# KiCad board corne-cherry.kicad_pcb (continued)
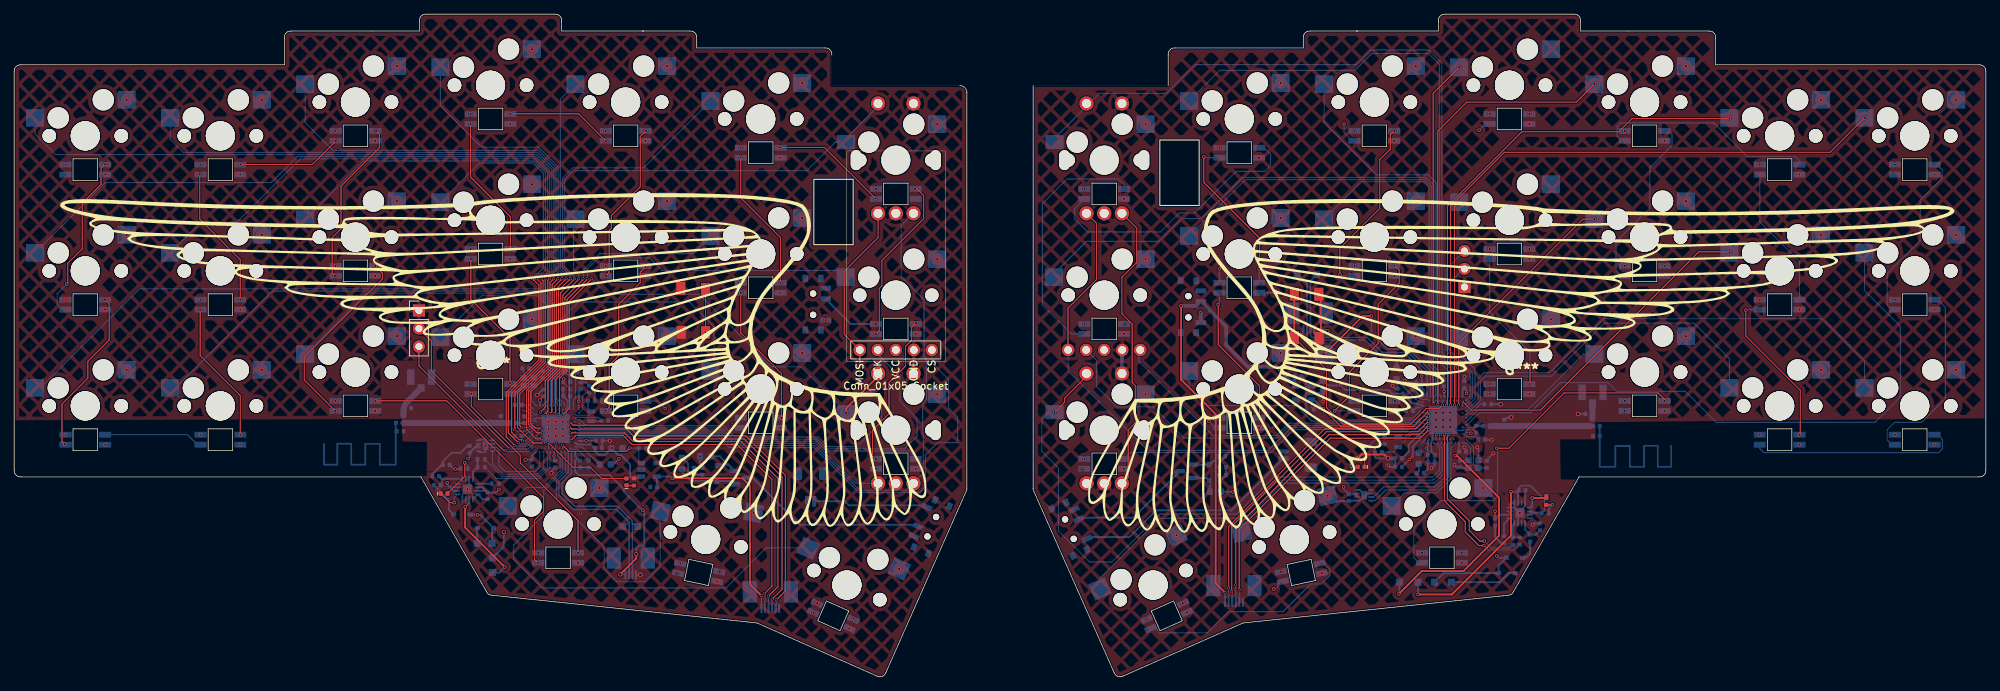
[diagram p0: board, top side]
## Library data of the parts (continued)
R15 = -: LCSC Part: C131467; Manufacturer Part: RC0402FR-073K9L; ki_fp_filters: R_*
R16 R18 R19 = -: LCSC Part: C25744; Manufacturer Part: RC0402FR-0710KL; JLC Part: C25744; ki_fp_filters: R_*
R17 = -: LCSC Part: C131467; Manufacturer Part: RC0402FR-073K9L; JLC Part: C51721; ki_fp_filters: R_*
R20 = -: LCSC Part: C138014; Manufacturer Part: RC0402FR-072ML; JLC Part: C138014; ki_fp_filters: R_*
rSMDSW1 rSMDSW3 = -: JLCPCB Part #: C455280; Sim.Type: V
rSW2-rSW21 SW2-SW21 = -: Sim.Type: V
SW1 = -: Description: Push button switch, generic, two pins; Sim.Type: V
SW22-SW25 = -: Description: Single Pole Single Throw (SPST) switch
TP1-TP12 = -: ki_fp_filters: Pin* Test*
U1 U2 = -: Datasheet: http://infocenter.nordicsemi.com/topic/com.nordic.infocenter.nrf52/dita/nrf52/chips/nrf52840.html; Digikey: 1490-1071-1-ND; LCSC Part: C190794; Manufacturer Part: NRF52840-QIAA-R; ki_fp_filters: Nordic*AQFN*1EP*7x7mm*P0.5mm*
U4 U6 = -: LCSC Part: C2682616
U5 U9 = -: Datasheet: https://www.torexsemi.com/file/xc6220/XC6220.pdf; Digikey: 893-1133-1-ND‎; JLC Part: C86534; LCSC Part: C86534; Manufacturer Part: XC6220B331MR-G‎; ki_fp_filters: SOT?23*
U7 U8 = -: Datasheet: http://www.ti.com/lit/ds/symlink/bq24075.pdf; Digikey: 296-24815-1-ND; JLC Part: C15464; LCSC Part: C2865459; Manufacturer Part: BQ24075RGTR; ki_fp_filters: VQFN*1EP*3x3mm*P0.5mm*
Y1 Y3 = -: Digikey: 490-XRCGB32M000F1S1DR0CT-ND‎; JLC Part: C255896; LCSC Part: C255896; Manufacturer Part: Q22FA1280001800; ki_fp_filters: Crystal*
Y2 Y4 = -: Digikey: 728-1075-1-ND; JLC Part: C93231; LCSC Part: C97607; Manufacturer Part: SC20S-12.5PF20PPM; ki_fp_filters: Crystal*

## Footprints (pads in the part's own frame, mm; a bottom-side part is the same pattern mirrored in y, then rotated)
2.4GHz-meander-antenna-v2
  custom 10.346x5.981 smd: 1(0,0)
2.4GHz-meander-antenna-v2#2
  custom 10.346x5.981 smd: 1(-10,0)
AQFN-73-1EP_7x7mm_P0.5mm_NRF52840-custom
  rrect 0.575x0.575 smd: (-1.5,-1.5) (-1.5,-0.5) (-1.5,0.5) (-1.5,1.5) (-0.5,-1.5) (-0.5,-0.5) (-0.5,0.5) (-0.5,1.5) (0.5,-1.5) (0.5,-0.5) (0.5,0.5) (0.5,1.5) (1.5,-1.5) (1.5,-0.5) (1.5,0.5) (1.5,1.5)
  round 0.25 smd: A8(-1.25,3.25) A10(-0.75,3.25) A12(-0.25,3.25) A14(0.25,3.25) A16(0.75,3.25) A18(1.25,3.25) A20(1.75,3.25) A22(2.25,3.25) A23(2.75,3.25) AA24(3.25,-2.25) AB2(-2.75,-2.5) AC5(-2,-2.75) AC9(-1,-2.75) AC11(-0.5,-2.75) AC13(0,-2.75) AC15(0.5,-2.75) AC17(1,-2.75) AC19(1.5,-2.75) AC21(2,-2.75) AC24(3.25,-2.75) AD2(-2.75,-3.25) AD4(-2.25,-3.25) AD6(-1.75,-3.25) AD8(-1.25,-3.25) AD10(-0.75,-3.25) AD12(-0.25,-3.25) AD14(0.25,-3.25) AD16(0.75,-3.25) AD18(1.25,-3.25) AD20(1.75,-3.25) AD22(2.25,-3.25) AD23(2.75,-3.25) B1(-3.25,2.75) B3(-2.5,2.75) B5(-2,2.75) B7(-1.5,2.75) B9(-1,2.75) B11(-0.5,2.75) B13(0,2.75) B15(0.5,2.75) B17(1,2.75) B19(1.5,2.75) B24(3.25,2.75) C1(-3.25,2.25) D2(-2.75,2) D23(2.75,2) E24(3.25,1.75) F2(-2.75,1.5) F23(2.75,1.5) G1(-3.25,1.25) H2(-2.75,1) H23(2.75,1) J1(-3.25,0.75) J24(3.25,0.75) K2(-2.75,0.5) L1(-3.25,0.25) L24(3.25,0.25) M2(-2.75,0) N1(-3.25,-0.25) N24(3.25,-0.25) P2(-2.75,-0.5) P23(2.75,-0.5) R1(-3.25,-0.75) R24(3.25,-0.75) T2(-2.75,-1) T23(2.75,-1) U1(-3.25,-1.25) U24(3.25,-1.25) V23(2.75,-1.5) W1(-3.25,-1.75) W24(3.25,-1.75) Y2(-2.75,-2) Y23(2.75,-2)
  rect 4x4 smd: EP(0,0)
BWIPX-1-001E
  rect 1x1.05 smd: 1(0,-1.525)
  rect 1.05x2.2 smd: 2(-1.475,0) 2(1.475,0)
Capacitor_0402_1005M-nosilk
  rrect 0.56x0.62 smd: 1(-0.48,0) 2(0.48,0)
Capacitor_0603_1608M-nosilk
  rrect 0.9x0.95 smd: 1(-0.775,0) 2(0.775,0)
Crystal_SMD_2012-2Pin_2.0x1.2mm
  rect 0.6x1.1 smd: 1(-0.7,0) 2(0.7,0)
Crystal_SMD_2016-4Pin_2.0x1.6mm
  rect 0.9x0.8 smd: 1(-0.7,-0.55) 2(0.7,-0.55) 3(0.7,0.55) 4(-0.7,0.55)
D_SOD-323F-nosilk
  rect 0.7x0.6 smd: 1(-1.15,0) 2(1.15,0)
Fuse_0402_1005Metric
  rrect 0.59x0.64 smd: 1(-0.485,0) 2(0.485,0)
Fuse_0603_1608Metric
  rrect 0.875x0.95 smd: 1(-0.787,0) 2(0.787,0)
Inductor_0402_1005M-nosilk
  rrect 0.59x0.64 smd: 1(-0.485,0) 2(0.485,0)
Inductor_0603_1608M-nosilk
  rrect 0.875x0.95 smd: 1(-0.787,0) 2(0.787,0)
JST_SH_SM02B-SRSS-TB_1x02-1MP_P1.00mm_Horizontal
  rrect 0.6x1.55 smd: 1(-0.5,2) 2(0.5,2)
  rrect 1.2x1.8 smd: MP(-1.8,-1.875) MP(1.8,-1.875)
Jushuo_AFC07-S04FCA-00_1x4-1MP_P0.50_Horizontal
  rect 0.3x1.3 smd: 1(-0.75,1.6) 2(-0.25,1.6) 3(0.25,1.6) 4(0.75,1.6)
  rect 2x3 smd: MP(-2.4,-0.75) MP(2.4,-0.75)
Jushuo_AFC07-S06FCA-00_1x6-1MP_P0.50_Horizontal
  rect 0.3x1.3 smd: 1(-1.25,1.6) 2(-0.75,1.6) 3(-0.25,1.6) 4(0.25,1.6) 5(0.75,1.6) 6(1.25,1.6)
  rect 2x3 smd: MP(-2.9,-0.75) MP(2.9,-0.75)
keyswitch_cherrymx_hotswap_1u
  round 1.9 hole 1.9 unplated: (-5.08,0) (-5.08,0) (5.08,0) (5.08,0)
  round 3 hole 3 unplated: (-2.54,5.08) (3.81,2.54)
  round 4.1 hole 4.1 unplated: (0,0) (0,0)
  rect 2.55x2.5 smd: 1(7.085,2.54) 2(-5.842,5.08)
keyswitch_cherrymx_hotswap_1u#2
  round 1.9 hole 1.9 unplated: (-5.08,0) (5.08,0)
  round 3 hole 3 unplated: (-2.54,5.08) (3.81,2.54)
  round 4.1 hole 4.1 unplated: (0,0) (0,0)
  rect 2.55x2.5 smd: 1(7.085,2.54) 2(-5.842,5.08)
keyswitch_cherrymx_hotswap_1u_rotary_encoder_ec12
  rect 2x3.2 hole 1.5x2.8 unplated: (-5.6,0) (5.6,0)
  round 1.9 hole 1.9 unplated: (-5.08,0) (5.08,0)
  round 3 hole 3 unplated: (-2.54,5.08) (3.81,2.54)
  round 4.1 hole 4.1 unplated: (0,0)
  round 2 hole 1.27: A(2.5,-7.5) B(-2.5,-7.5) C(0,-7.5) S1(-2.5,8) S2(2.5,8)
  rect 2.55x2.5 smd: S1(-5.842,5.08)
  rect 2.55x2 smd: S2(7,2.54)
LED_0402_1005Metric-nosilk
  rrect 0.59x0.64 smd: 1(-0.485,0) 2(0.485,0)
net-tie-2-tiny
  round 0.15 smd: 1(-0.15,0) 2(0.15,0)
nice_view
  round 1.753 hole 1.092: 1(-5.08,-16.51) 2(-2.54,-16.51) 3(0,-16.51) 4(2.54,-16.51) 5(5.08,-16.51)
PinHeader_1x03_P2.54mm_Vertical
  rect 1.7x1.7 hole 1: 1(0,0)
  oval 1.7x1.7 hole 1: 2(0,-2.54) 3(0,-5.08)
PushSwitch
  rect 1.8x1.3 smd: 1(-3.1,1.75) 1(3.1,1.8) 2(-3.1,-1.7) 2(3,-1.7)
R_0603_1608Metric
  rrect 0.8x0.95 smd: 1(-0.825,0) 2(0.825,0)
Resistor_0402_1005M-nosilk
  rrect 0.54x0.64 smd: 1(-0.51,0) 2(0.51,0)
SOT-23
  rrect 1.475x0.6 smd: 1(-0.938,0.95) 2(-0.938,-0.95) 3(0.938,0)
SOT-23-5
  rect 1.06x0.65 smd: 1(-1.1,0.95) 2(-1.1,0) 3(-1.1,-0.95) 4(1.1,-0.95) 5(1.1,0.95)
SW_SPDT_PCM12
  rect 1x0.8 smd: (-3.65,-1.43) (-3.65,0.78) (3.65,-1.43) (3.65,0.78)
  round 0.9 hole 0.9 unplated: (-1.5,-0.33) (1.5,-0.33)
  rect 0.7x1.5 smd: 1(-2.25,1.43) 2(0.75,1.43) 3(2.25,1.43)
TDFN-8-1EP_2x2mm_P0.5mm_EP0.8x1.2mm
  rrect 0.32x0.48 smd: (-0.2,-0.3) (-0.2,0.3) (0.2,-0.3) (0.2,0.3)
  rrect 0.775x0.25 smd: 1(-0.988,0.75) 2(-0.988,0.25) 3(-0.988,-0.25) 4(-0.988,-0.75) 5(0.988,-0.75) 6(0.988,-0.25) 7(0.988,0.25) 8(0.988,0.75)
  rect 0.8x1.2 smd: 9(0,0)
TestPoint_Pad_1.0x1.0mm-nosilk
  rect 1x1 smd: 1(0,0)
VQFN-16-1EP_3x3mm_P0.5mm_EP1.6x1.6mm
  rrect 0.4x0.4 smd: (-0.3,-0.3) (-0.3,0.3) (0.3,-0.3) (0.3,0.3)
  rrect 0.875x0.25 smd: 1(-1.438,0.75) 2(-1.438,0.25) 3(-1.438,-0.25) 4(-1.438,-0.75) 9(1.438,-0.75) 10(1.438,-0.25) 11(1.438,0.25) 12(1.438,0.75)
  rrect 0.25x0.875 smd: 5(-0.75,-1.438) 6(-0.25,-1.438) 7(0.25,-1.438) 8(0.75,-1.438) 13(0.75,1.438) 14(0.25,1.438) 15(-0.25,1.438) 16(-0.75,1.438)
  rect 1.3x1.3 smd: 17(0,0)
YS-SK6812MINI-E
  rect 1.7x0.825 smd: 1(2.8,0.7) 2(2.8,-0.7) 3(-2.8,-0.7) 4(-2.8,0.7)

## Nets
/right/VBAT: C46.2 C47.1 C48.1 C51.2 F4.2 U4.2 U4.3 U8.2 U8.3
/right/VCC: C53.2 J10.3 J11.1 SW22.2 U9.5
/right/VCC_CTRL: R20.1 U2.T2 U9.3
/right/VDD_nrf: C55.2 C56.2 C57.2 C58.2 C59.2 L7.1 TP8.1 U2.A22 U2.AD14 U2.AD23 U2.B1 U2.W1
/right/VDDH: C50.2 C52.2 C54.2 R18.1 TP9.1 U2.Y2 U8.6 U8.10 U8.11 U9.1
GND: C1.2 C2.2 C3.2 C4.2 C5.2 C7.2 C8.1 C9.1 C10.1 C11.2 C12.1 C13.1 C15.1 C16.2 C17.1 C18.1 C19.1 C20.1 C21.2 C22.1 C23.1 C24.1 C25.1 C26.1 C27.1 C28.1 C29.1 C30.2 EXLED1.3 EXLED2.3 EXLED3.3 EXSW1.C EXSW1.S1 EXSW2.2 EXSW3.C EXSW3.S1 J2.1 J4.1 J6.4 J7.4 J12.6 LED1.3 LED2.3 LED3.3 LED4.3 LED5.3 LED6.3 LED7.3 LED8.3 LED9.3 LED10.3 LED11.3 LED12.3 LED13.3 LED14.3 LED15.3 LED16.3 LED17.3 LED18.3 LED19.3 LED20.3 LED21.3 NT1.2 R4.2 R6.2 R12.2 R13.1 rSMDSW3.1 SW1.2 SW2.2 SW3.2 SW4.2 SW5.2 SW6.2 SW7.2 SW8.2 SW9.2 SW10.2 SW11.2 SW12.2 SW13.2 SW14.2 SW15.2 SW16.2 SW17.2 SW18.2 SW19.2 SW20.2 SW21.2 U1.B7 U1.EP U5.2 U6.1 U6.4 U6.6 U6.9 U7.4 U7.5 U7.8 U7.15 U7.17 Y1.2 Y1.4
GNDR: C31.2 C32.1 C33.1 C34.2 C35.2 C36.2 C37.2 C38.2 C40.1 C41.1 C42.2 C43.2 C44.1 C45.1 C46.1 C47.2 C48.2 C49.2 C50.1 C51.1 C52.1 C53.1 C54.1 C55.1 C56.1 C57.1 C58.1 C59.1 J8.1 J9.1 J10.2 J11.6 NT2.2 R14.1 R15.2 R19.2 R20.2 rEXLED1.3 rEXLED2.3 rEXLED3.3 rEXSW1.C rEXSW1.S1 rEXSW2.2 rEXSW3.C rEXSW3.S1 rJ4.1 rLED1.3 rLED2.3 rLED3.3 rLED4.3 rLED5.3 rLED6.3 rLED7.3 rLED8.3 rLED9.3 rLED10.3 rLED11.3 rLED12.3 rLED13.3 rLED14.3 rLED15.3 rLED16.3 rLED17.3 rLED18.3 rLED19.3 rLED20.3 rLED21.3 rSMDSW1.1 rSW1.2 rSW2.2 rSW3.2 rSW4.2 rSW5.2 rSW6.2 rSW7.2 rSW8.2 rSW9.2 rSW10.2 rSW11.2 rSW12.2 rSW13.2 rSW14.2 rSW15.2 rSW16.2 rSW17.2 rSW18.2 rSW19.2 rSW20.2 rSW21.2 U2.B7 U2.EP U4.1 U4.4 U4.6 U4.9 U8.4 U8.5 U8.8 U8.15 U8.17 U9.2 Y3.2 Y3.4
VBAT: C16.1 C20.2 C23.2 C30.1 F3.2 U6.2 U6.3 U7.2 U7.3
VBUS: C8.2 D1.1 D2.2 J6.1 TP6.1 U1.AD2
VBUSR: C31.1 D8.2 D10.1 J8.4 TP12.1 U2.AD2
VDD_NRF: C25.2 C26.2 C27.2 C28.2 C29.2 L3.1 TP1.1 U1.A22 U1.AD14 U1.AD23 U1.B1 U1.W1
VDDH: C18.2 C22.2 C24.2 R11.1 TP2.1 U1.Y2 U5.1 U7.6 U7.10 U7.11
VSS_PA: C14.1 NT1.1 U1.F23
VSS_PA_R: C39.1 NT2.1 U2.F23
/left/ANT: AE1.1 C12.2 R3.2
/left/CS: J7.5 U1.U1
/left/D+: J6.2 TP5.1 U1.AD6
/left/D-: J6.3 TP4.1 U1.AD4
/left/KEY1: SW1.1 U1.AD10
/left/KEY2: SW2.1 U1.A10
/left/KEY3: SW3.1 U1.B13
/left/KEY4: SW4.1 U1.B19
/left/KEY5: SW5.1 U1.P23
/left/KEY6: SW6.1 U1.B15
/left/KEY7: SW7.1 U1.A8
/left/KEY8: SW8.1 U1.AD8
/left/KEY9: SW9.1 U1.AD12
/left/KEY10: SW10.1 U1.A20
/left/KEY11: SW11.1 U1.W24
/left/KEY12: SW12.1 U1.T23
/left/KEY13: SW13.1 U1.V23
/left/KEY14: SW14.1 U1.U24
/left/KEY15: SW15.1 U1.A16
/left/KEY16: SW16.1 U1.A14
/left/KEY17: SW17.1 U1.R24
/left/KEY18: SW18.1 U1.J24
/left/KEY19: SW19.1 U1.Y23
/left/KEY20: SW20.1 U1.L24
/left/KEY21: SW21.1 U1.A12
/left/KEYEX1: EXSW1.S2 U1.B17
/left/KEYEX2: EXSW2.1 U1.B11
/left/KEYEX3: EXSW3.S2 U1.B9
/left/LED: EXLED3.4 U1.L1
/left/RE0A: EXSW1.A J7.1 U1.G1
/left/RE1A: J7.2 U1.J1
/left/RE2A: EXSW3.A U1.N1
/left/REB: EXSW1.B EXSW3.B U1.R1
/left/SWC: J4.2 U1.AA24
/left/SWD: J4.3 U1.AC24
/right/ANT: AE4.1 C41.2 R8.2
/right/BAT_SCL: U2.A14 U4.7
/right/BAT_SDA: U2.A16 U4.8
/right/BLED: D6.2 U2.G1
/right/CHG_CTRL_1: R16.1 U2.B13
/right/CHG_CTRL_2: R17.2 U2.B15
/right/CS: J10.1 U2.R1
/right/KEY1: rSW1.1 U2.A10
/right/KEY2: rSW2.1 U2.U1
/right/KEY3: rSW3.1 U2.AD12
/right/KEY4: rSW4.1 U2.AD20
/right/KEY5: rSW5.1 U2.AD18
/right/KEY6: rSW6.1 U2.AD10
/right/KEY7: rSW7.1 U2.AD8
/right/KEY8: rSW8.1 U2.A12
/right/KEY9: rSW9.1 U2.A20
/right/KEY10: rSW10.1 U2.W24
/right/KEY11: rSW11.1 U2.AC19
/right/KEY12: rSW12.1 U2.AC9
/right/KEY13: rSW13.1 U2.AC11
/right/KEY14: rSW14.1 U2.AC21
/right/KEY15: rSW15.1 U2.L24
/right/KEY16: rSW16.1 U2.R24
/right/KEY17: rSW17.1 U2.Y23
/right/KEY18: rSW18.1 U2.AC15
/right/KEY19: rSW19.1 U2.AC17
/right/KEY20: rSW20.1 U2.J24
/right/KEY21: rSW21.1 U2.U24
/right/KEYEX1: rEXSW1.S2 U2.AD22
/right/KEYEX2: rEXSW2.1 U2.AD16
/right/KEYEX3: rEXSW3.S2 U2.A8
/right/LED: rEXLED3.4 U2.J1
/right/rD+: J8.3 TP11.1 U2.AD6
/right/rD-: J8.2 TP10.1 U2.AD4
/right/RE0A: J10.5 rEXSW1.A U2.L1
/right/RE1A: J10.4 U2.N1
/right/RE2A: rEXSW3.A U2.B11
/right/REB: rEXSW1.B rEXSW3.B U2.B9
/right/SWCLK: rJ4.2 U2.AA24
/right/SWD: rJ4.3 U2.AC24
BAT_I2C_SCL: U1.AD22 U6.7
BAT_I2C_SDA: U1.AD20 U6.8
BATT: J2.2 SW25.1
BLUE_LED: D4.2 U1.AC17
CHARGE_CTRL_1: R9.1 U1.AD16
CHARGE_CTRL_2: R10.2 U1.AD18
MOTION_2: J12.5 U1.K2
MOTION_r: J11.5 U2.H2
NCS_2: J12.2 U1.T2
NCS_r: J11.2 U2.P2
PPH_VCC: C19.2 J7.3 J12.1 SW24.1 U5.5
PPH_VCC_CTRL: R4.1 U1.AC9 U5.3
SCLK_2: J12.4 U1.M2
SCLK_r: J11.4 U2.K2
SDIO_2: J12.3 U1.P2
SDIO_r: J11.3 U2.M2
Net-(AE2-A): AE2.1 C11.1 R7.2
Net-(AE3-A): AE3.1 C38.1 R5.2
Net-(C13-Pad2): C13.2 L4.1 R3.1 R7.1
Net-(C40-Pad2): C40.2 L8.1 R5.1 R8.1
Net-(D1-A): D1.2 TP3.1
Net-(D2-K): D2.1 F2.2
Net-(D3-A): D3.2 R11.2
Net-(D3-K): D3.1 U7.9
Net-(D4-K): D4.1 R13.2
Net-(D5-A): D5.2 Q1.1 R6.1
Net-(D5-K): D5.1 F3.1 Q1.2
Net-(D6-K): D6.1 R14.2
Net-(D7-A): D7.2 Q2.1 R15.1
Net-(D7-K): D7.1 F4.1 Q2.2
Net-(D8-K): D8.1 F5.2
Net-(D9-A): D9.2 R18.2
Net-(D9-K): D9.1 U8.9
Net-(D10-A): D10.2 TP7.1
Net-(EXLED1-DIN): EXLED1.4 EXLED2.2
Net-(EXLED1-DOUT): EXLED1.2 LED4.4
Net-(EXLED1-VDD): EXLED1.1 EXLED2.1 EXLED3.1 LED1.1 LED2.1 LED3.1 LED4.1 LED5.1 LED6.1 LED7.1 LED8.1 LED9.1 LED10.1 LED11.1 LED12.1 LED13.1 LED14.1 LED15.1 LED16.1 LED17.1 LED18.1 LED19.1 LED20.1 LED21.1 SW24.2
Net-(EXLED2-DIN): EXLED2.4 EXLED3.2
Net-(J9-Pin_2): J9.2 SW23.1
Net-(L1-Pad2): L1.2 L2.1
Net-(L5-Pad2): L5.2 L6.1
Net-(LED1-DIN): LED1.4 LED2.2
Net-(LED1-DOUT): LED1.2 LED8.4
Net-(LED2-DIN): LED2.4 LED3.2
Net-(LED3-DIN): LED3.4 LED4.2
Net-(LED5-DIN): LED5.4 LED6.2
Net-(LED6-DIN): LED6.4 LED7.2
Net-(LED7-DIN): LED7.4 LED8.2
Net-(LED10-DIN): LED10.4 LED11.2
Net-(LED10-DOUT): LED9.4 LED10.2
Net-(LED11-DIN): LED11.4 LED12.2
Net-(LED12-DIN): LED5.2 LED12.4
Net-(LED13-DIN): LED13.4 LED14.2
Net-(LED13-DOUT): LED13.2 LED18.4
Net-(LED14-DIN): LED14.4 LED15.2
Net-(LED15-DIN): LED9.2 LED15.4
Net-(LED16-DIN): LED16.4 LED17.2
Net-(LED16-DOUT): LED16.2 LED21.4
Net-(LED17-DIN): LED17.4 LED18.2
Net-(LED19-DIN): LED19.4 LED20.2
Net-(LED20-DIN): LED20.4 LED21.2
Net-(Q1-D): Q1.3 SW25.2
Net-(Q2-D): Q2.3 SW23.2
Net-(rEXLED1-DIN): rEXLED1.4 rEXLED2.2
Net-(rEXLED1-DOUT): rEXLED1.2 rLED4.4
Net-(rEXLED2-DIN): rEXLED2.4 rEXLED3.2
Net-(rLED1-DIN): rLED1.4 rLED2.2
Net-(rLED1-DOUT): rLED1.2 rLED8.4
Net-(rLED2-DIN): rLED2.4 rLED3.2
Net-(rLED3-DIN): rLED3.4 rLED4.2
Net-(rLED5-DIN): rLED5.4 rLED6.2
Net-(rLED6-DIN): rLED6.4 rLED7.2
Net-(rLED7-DIN): rLED7.4 rLED8.2
Net-(rLED10-DIN): rLED10.4 rLED11.2
Net-(rLED10-DOUT): rLED9.4 rLED10.2
Net-(rLED11-DIN): rLED11.4 rLED12.2
Net-(rLED12-DIN): rLED5.2 rLED12.4
Net-(rLED13-DIN): rLED13.4 rLED14.2
Net-(rLED13-DOUT): rLED13.2 rLED18.4
Net-(rLED14-DIN): rLED14.4 rLED15.2
Net-(rLED15-DIN): rLED9.2 rLED15.4
Net-(rLED16-DIN): rLED16.4 rLED17.2
Net-(rLED16-DOUT): rLED16.2 rLED21.4
Net-(rLED17-DIN): rLED17.4 rLED18.2
Net-(rLED19-DIN): rLED19.4 rLED20.2
Net-(rLED20-DIN): rLED20.4 rLED21.2
Net-(SW22-A): rEXLED1.1 rEXLED2.1 rEXLED3.1 rLED1.1 rLED2.1 rLED3.1 rLED4.1 rLED5.1 rLED6.1 rLED7.1 rLED8.1 rLED9.1 rLED10.1 rLED11.1 rLED12.1 rLED13.1 rLED14.1 rLED15.1 rLED16.1 rLED17.1 rLED18.1 rLED19.1 rLED20.1 rLED21.1 SW22.1
Net-(U1-ANT): C14.2 L4.2 U1.H23
Net-(U1-DCC): L2.2 U1.B3
Net-(U1-DCCH): L3.2 U1.AB2
Net-(U1-DEC1): C3.1 U1.C1
Net-(U1-DEC3): C4.1 U1.D23
Net-(U1-DEC4): C9.2 C10.2 L1.1 U1.B5 U1.E24
Net-(U1-DEC5): C5.1 U1.N24
Net-(U1-DECUSB): C7.1 U1.AC5
Net-(U1-P0.18/~{RESET}): rSMDSW3.2 U1.AC13
Net-(U1-XC1): C1.1 U1.B24 Y1.1
Net-(U1-XC2): C2.1 U1.A23 Y1.3
Net-(U1-XL1/P0.00): C15.2 U1.D2 Y2.1
Net-(U1-XL2/P0.01): C17.2 U1.F2 Y2.2
Net-(U2-ANT): C39.2 L8.2 U2.H23
Net-(U2-DCC): L6.2 U2.B3
Net-(U2-DCCH): L7.2 U2.AB2
Net-(U2-DEC1): C37.1 U2.C1
Net-(U2-DEC3): C36.1 U2.D23
Net-(U2-DEC4): C32.2 C33.2 L5.1 U2.B5 U2.E24
Net-(U2-DEC5): C35.1 U2.N24
Net-(U2-DECUSB): C34.1 U2.AC5
Net-(U2-P0.18/~{RESET}): rSMDSW1.2 U2.AC13
Net-(U2-XC1): C42.1 U2.B24 Y3.1
Net-(U2-XC2): C43.1 U2.A23 Y3.3
Net-(U2-XL1/P0.00): C44.2 U2.D2 Y4.1
Net-(U2-XL2/P0.01): C45.2 U2.F2 Y4.2
Net-(U7-IN): C21.1 F2.1 U7.13
Net-(U7-ISET): R9.2 R10.1 U7.16
Net-(U7-TS): R12.1 U7.1
Net-(U8-IN): C49.1 F5.1 U8.13
Net-(U8-ISET): R16.2 R17.1 U8.16
Net-(U8-TS): R19.1 U8.1

Pads without a net: AE2 2; AE3 2; J2 MP; J6 MP; J8 MP; J9 MP; J11 MP; J12 MP; LED19 2; rLED19 2; SW22 3; SW23 3; SW24 3; SW25 3; U1 A18 AC11 AC15 AC19 AC21 H2; U2 A18 B17 B19 P23 T23 V23; U4 5; U5 4; U6 5; U7 7 12 14; U8 7 12 14; U9 4

## Via types
v1: diameter 0.5, hole 0.3, Top to Bottom, 286 vias
v2: diameter 0.6, hole 0.4, Top to Bottom, 13 vias
v3: diameter 0.4, hole 0.3, Top to Bottom, 77 vias
v4: diameter 0.45, hole 0.3, Top to Bottom, 9 vias

## Routing (per net, layer and track width the routed paths; a pad name or vN(x,y) marks a point on that pad's centre or on a via; arc(x,y) is an arc through that point)
/right/VBAT: length 51.2
  power w0.508: v1(208.83,23.37) 208.09,24.12 200.35,24.12 197.59,26.88 172.59,26.88 v1(171.83,26.12)
  Bottom w0.254: U8.3 U8.2 209.41,22.87 C51.2 208.84,23.36 v1(208.83,23.37) ; v1(171.83,26.12) F4.2 170.18,27.77 C48.1 170.89,29.57 ; v1(187.48,26.79) 187.48,26.51 C46.2 188.97,25.76 U4.2 U4.3
/right/VCC: length 97.6
  Top w0.254: v1(164.55,52.34) 164.55,41.94 169.43,37.06 169.43,13.21 v3(170.77,11.88)
  power w0.508: v1(164.55,52.34) 164.55,43.72 158.76,37.93 155.45,37.93 153.69,39.68 153.69,46.1 153.72,46.13
  Bottom w0.254: v3(170.77,11.88) J11.1
  Bottom w0.508: U9.5 178.01,43.74 173.98,43.74 170.92,46.79 170.92,49.39 SW22.2 166.72,52.34 v1(164.55,52.34) ; C53.2 180.57,41.18
/right/VCC_CTRL: length 20.9
  Top w0.15: v1(184.59,37.81) 187.06,35.34 197.33,35.34 199.25,37.26 199.33,37.26 v4(199.48,37.41)
  Bottom w0.15: U2.T2 199.32,37.25 v4(199.48,37.41)
  Bottom w0.203: R20.1 182.94,38.04 U9.3
  Bottom w0.254: 183.29,39.11 v1(184.59,37.81)
/right/VDD_nrf: length 79.3
  Top w0.254: v1(203.22,31.2) 203.47,31.2 209.39,25.29 209.39,19.93 204.38,14.92 198.48,14.92 v1(195.26,11.7)
  power w0.508: v1(204.82,39.99) 204.55,40.26 v1(201.64,40.26) 197.8,40.26 v1(196.21,38.67) ; v1(196.21,38.67) 195.01,39.87 195.01,44.51 v1(194.93,44.59) ; v1(196.21,38.67) 196.21,31.21 v1(196.75,30.66) 196.75,30.6 197.18,30.17 202.24,30.17 203.22,31.15
  Bottom w0.203: v1(203.22,31.2) 203.77,31.75
  Bottom w0.254: 201.65,40.92 201.65,39.6 U2.AD14 ; v1(204.82,39.99) 204.82,40.43 C56.2 204.25,40.52 U2.AD23 ; v1(195.26,11.7) 195.34,11.78 TP8.1 ; 197.27,37.61 v1(196.21,38.67) ; 203.75,31.93 U2.A22 ; v1(201.64,40.26) 201.64,40.93 ; U2.B1 197.24,32.49 197.24,31.15 C59.2 ; C58.2 197.75,38 U2.W1
  Bottom w0.508: L7.1 194.93,44.59 v1(194.93,44.59)
/right/VDDH: length 87.3
  Top w0.254: v1(211.08,26.12) 211.08,19.97 202.74,11.62 v1(197.99,11.62)
  power w0.508: v1(187.08,41.12) 187.08,35.6 193.88,28.81 208.4,28.81 v1(211.08,26.12)
  Bottom w0.203: R18.1 215.8,23.47 215.8,25 213.81,26.98 212.52,26.98 212.17,26.63 C50.2
  Bottom w0.254: C50.2 211.97,26.12 v1(211.08,26.12) ; TP9.1 197.98,11.63 v1(197.99,11.62) ; 213.98,23.16 U8.10 ; 213.98,23.16 213.98,23.08 U8.11 ; 213.98,23.16 215.32,23.16 ; U9.1 183.77,41.01 C52.2 185.27,41.12 v1(187.08,41.12) 187.72,40.48 193.8,40.48 194.32,39.96 C54.2 197.21,38.57 197.79,38.57 197.93,38.44 198.38,38.44 198.57,38.25 U2.Y2 ; U8.6 212.08,26.23
GND: length 69.8
  Top w0.25: 126.83,42.4 126.83,44.29
  gnd w0.25: v1(34.92,43.31) 32.88,41.27 32.88,33.77 v1(31.88,32.77) ; v1(15.87,43.31) 12.83,40.27 v1(12.83,32.77)
  Bottom w0.12: U7.5 64.68,25.75 63.95,26.48
  Bottom w0.15: U7.17 63.24,25.81 63.24,25.12
  Bottom w0.25: C3.2 80.61,41.55 C29.1 ; Y1.2 74.25,43.17 C2.2 ; C28.1 83.94,33.33 v1(83.99,33.27) ; v2(88.31,14.4) 88.3,14.39 J6.4 ; 74.55,40.53 v2(73.77,39.75) ; U1.B7 77.86,36.5 v1(77.36,36) ; U1.B7 77.86,37.76 ; U1.B7 77.86,37.82 78.04,37.99 78.04,39.01 C10.1 C9.1 ; U6.6 66.71,32.87 ; C8.1 81.01,29.55 ; C25.1 75.75,28.99 v2(75.75,28.75) ; 70.69,39.91 Y1.4 ; C24.1 82.88,33.23 ; 65.47,33.37 65.6,33.5 66.43,33.5 66.46,33.47 v3(66.46,32.62) 66.46,31.77 66.39,31.7 65.64,31.7 65.47,31.86 ; v1(76.36,35) 74.87,36.5 74.47,36.5 ; 81.2,41.06 81.87,40.39 C15.1
  Bottom w0.254: C20.1 63.92,32.59 62.96,31.63 61.7,31.63 60.44,30.37 C22.1 ; C23.1 66.07,25.05 U7.4 U7.5 ; 60.3,29.91 58.96,28.57 C21.2 ; 97.03,28.52 C30.2 95.55,28.52 95.04,29.03 95.04,30.08 R6.2 ; U7.15 64.18,26.75
  vias: v1(12.83,70.87) v1(12.83,51.82) v1(15.87,81.41) v1(15.87,62.36) v1(31.88,70.87) v1(31.88,51.82) v1(34.92,81.41) v1(34.92,62.36) v1(50.93,75.63) v1(50.93,56.58) v1(50.93,37.53) v1(53.97,86.17) v1(53.97,67.12) v1(53.97,48.07) v1(63.94,26.48) v1(69.98,78.01) v1(69.98,58.96) v1(73.02,88.55) v1(73.02,69.5) v1(73.02,50.45) v1(75.36,36) v1(75.36,35) v1(75.36,34) v1(76.36,36) v1(76.36,34) v1(77.36,35) v1(77.36,34) v1(79.5,16.1) v1(82.54,26.64) v1(89.03,75.63) v1(89.03,56.58) v1(89.03,37.53) v1(92.07,86.17) v1(92.07,67.12) v1(92.07,48.07) v1(99.12,13.46) v1(104.28,23.15) v1(108.08,73.25) v1(108.08,54.2) v1(108.08,35.15) v1(111.12,83.79) v1(111.12,64.74) v1(111.12,45.69) v1(117.78,6.83) v1(124.82,15.23) v1(127.13,48.39) v1(127.13,29.35) v1(130.17,77.98) v1(130.17,58.93) v1(130.17,39.88) v3(79.87,23.09)
GNDR: length 91.7
  Top w0.25: 184.27,47.79 184.27,53.94 ; v2(193.75,30.83) 193.21,31.36 190.02,31.36 R14.1
  gnd w0.25: v1(254.81,43.31) 252.29,40.8 252.29,33.3 v1(251.77,32.77)
  Bottom w0.15: 204.73,31.88 204.73,32.15 v1(204.49,32.39) ; U2.B7 200,33.32 199.95,33.27
  Bottom w0.25: C55.1 201.57,42.66 v1(201.45,42.78) ; C33.1 C32.1 199.84,31.76 199.84,33.16 200,33.32 U2.B7 ; 190.35,25.47 189.75,24.87 U4.1 ; C58.1 194.63,37.52 ; C54.1 194.8,40.64 v1(194.36,41.08) ; v2(220.55,37.08) 220.57,37.1 C38.2 ; 210.24,36.29 210.55,36.6 v2(211.11,36.6) ; v2(193.75,30.83) 192.04,30.83 191.9,30.96 C44.1 191.9,32.31 192.4,32.81 C45.1 ; U4.6 190.6,25.87 ; 203.38,34.75 203.28,34.75 201.79,36.25 ; v1(193.79,29.85) 194.04,29.6 C59.1 194.73,30.81 ; 156.22,46.08 156.26,46.13 ; v2(209.63,38.45) 208.31,38.45 ; C46.1 185.94,24.8
  Bottom w0.254: v1(208.6,31.53) 207.67,30.6 ; 213.08,26.27 U8.8 213.08,24.12 212.33,23.37 ; v1(214.14,21.45) 214.33,21.64 C49.2 ; C56.1 204.49,42.33 v1(204.53,42.37) ; v1(177.88,54.2) rLED3.3 ; 170,29.62 170,30.29 R15.2 ; C52.1 184.58,38.87 v1(184.58,38.87) ; C34.2 196.84,41.54 C31.2 ; Y3.2 203.97,29.47 ; U8.5 211.06,24.56 210.89,24.39 U8.4 211.58,23.87 v1(212.33,23.12) ; v1(196.12,41.82) 196.54,41.4 ; v1(208.36,33.43) 207.46,33.43 ; 188.3,24.87 U4.1 ; 190.35,25.77 189.75,26.37 U4.4 ; U2.B7 200,34.75 v3(200.5,35.25) ; 184.37,40.06 U9.2 182.16,40.06 182.13,40.04 ; C53.1 182.13,41.81 182.13,40.04 ; 182.13,40.04 182.13,37.83 ; Y3.4 206.49,32.22 v1(206.3,32.41) ; v1(203.11,29.91) 203.47,29.55 C43.2 ; 212.08,22.87 U8.15 ; v1(199.9,29.46) 200.31,29.87 C33.1 ; C48.2 169.93,29.55 ; C51.1 208.84,19.7 209.71,18.83 R19.2
  Bottom w0.508: v2(193.75,30.83) C37.2 ; 156.22,42.4 156.22,46.08
  vias: v1(156.52,67.44) v1(156.52,48.39) v1(156.52,29.35) v1(159.56,77.98) v1(159.56,58.93) v1(159.56,39.88) v1(163.9,19.96) v1(165.38,9.1) v1(175.57,73.25) v1(175.57,35.15) v1(178.61,83.79) v1(178.61,64.74) v1(178.61,45.69) v1(184.4,14.62) v1(185.19,25.55) v1(194.62,75.63) v1(194.62,37.53) v1(194.62,56.51) v1(197.66,86.17) v1(197.66,67.12) v1(197.66,48.07) v1(204.14,16.1) v1(207.18,26.64) v1(213.67,78.01) v1(213.67,58.96) v1(213.67,39.91) v1(216.71,50.45) v1(232.72,75.63) v1(232.72,56.58) v1(232.72,37.53) v1(235.76,86.17) v1(235.76,67.12) v1(235.76,48.07) v1(251.77,70.87) v1(251.77,51.82) v1(254.81,81.41) v1(254.81,62.36) v1(270.82,70.87) v1(270.82,51.82) v1(270.82,32.77) v1(273.86,81.41) v1(273.86,62.36) v1(273.86,43.31) v3(200.5,37.25) v3(200.5,36.25) v3(201.5,37.25) v3(201.5,36.25) v3(201.5,35.25) v3(202.5,37.25) v3(202.5,36.25) v3(202.5,35.25)
VBAT: length 56.2
  power w0.254: v1(68.36,26.45) 67.26,27.54 67.26,27.54 v1(64.01,30.79) 68.78,30.79 74.76,24.81 87.12,24.81 93.43,31.12 v1(96.72,31.12)
  Bottom w0.25: U6.2 U6.3
  Bottom w0.254: C23.2 67.92,26.01 v1(68.36,26.45) ; C23.2 66.03,26.75 U7.2 ; C23.2 66.53,26.25 U7.3 ; U6.3 64.65,32.04 64.65,32.04 64.53,31.91 ; 64.53,31.91 C20.2 64.24,31.02 v1(64.01,30.79) ; 64.53,31.91 64.98,32.37 U6.2 ; C16.1 96.72,29.79 v1(96.72,31.12) ; C30.1 97.03,29.48
VBUS: length 60.3
  Top w0.254: v2(85.46,14.45) 87.73,16.72 v2(87.73,17.32)
  power w0.254: v1(65.35,22.84) 69,19.18 84.34,19.18 v1(88.67,23.52)
  Bottom w0.25: 83.72,28.47 83.99,28.47 86,26.46 86,26.09 88.57,23.52 v1(88.67,23.52)
  Bottom w0.254: D2.2 65.3,22.89 v1(65.35,22.84) 65.75,22.84 D1.1 67.39,20.78 TP6.1 ; J6.1 86.14,14.45 v2(85.46,14.45) ; 83.72,28.47 79.59,28.47 79.09,28.97 79.09,30.48 79.46,30.85 ; v1(88.67,23.52) 88.86,23.33 88.86,18.52 88.07,18.52 87.73,18.18 v2(87.73,17.32) ; 79.11,31.65 79.11,31.65 79.11,31.19 79.46,30.85 ; 79.46,30.85 C8.2
VBUSR: length 75.7
  power w0.508: 202.47,44.87 200.02,42.42 v1(198.48,42.42) ; 202.47,44.87 201.9,45.44 194,45.44 190.68,48.76 v2(185.2,48.76) ; 202.47,44.87 203.1,44.87 207.4,40.57 207.4,31.75 211.84,27.3 211.84,24.92 209.08,22.17 209.08,17.08 v1(209.07,17.07)
  Bottom w0.25: v2(185.2,48.76) 184.99,48.97 J8.4 ; C31.1 198.75,40.48 U2.AD2
  Bottom w0.254: TP12.1 201.57,14.63 D10.1 209.35,15.71 D8.2 209.34,16.8 v1(209.07,17.07) ; 198.5,40.99 198.5,42.4 v1(198.48,42.42)
VDD_NRF: length 55.4
  power w0.254: v1(85.3,30.77) 82.97,30.77 81.77,31.97 ; v2(72.12,30.64) 72.64,31.16 v1(76.14,31.16) 78.56,31.16 78.96,31.56 81.36,31.56 81.77,31.97 ; 81.77,31.97 80.64,33.1 80.64,37.85 v1(79.62,38.87) 79.51,38.76 74.37,38.76 v2(74.11,39.02)
  gnd w0.254: v2(72.12,30.64) 69.05,27.56 v2(69.05,20.4)
  Bottom w0.15: 79.61,39.15 79.61,37.76
  Bottom w0.25: C28.2 80.66,33.33 v1(80.63,33.3) 80.36,33.3 80.34,33.28 79.64,33.28 ; 74.11,38.26 v2(74.11,39.02) 74.11,39.14 74.38,39.41 ; 73.18,30.74 73.02,31.17 73.61,31.76 ; v1(76.14,31.16) 76.14,31.73 76.11,31.76 ; v1(79.62,38.87) 79.62,40.3 C29.2 ; L3.1 84.5,29.97 v1(85.3,30.77) ; v2(72.12,30.64) 72.13,30.65 C27.2
  Bottom w0.254: C25.2 76.14,30.65 v1(76.14,31.16) ; v2(69.05,20.4) 69.05,18.4 TP1.1
VDDH: length 96.9
  Top w0.254: v1(63.6,23.97) 63.6,21.07 v1(69.18,15.49)
  power w0.254: v1(63.6,23.97) 61.07,26.49 v1(61.07,27.39) 62.25,28.57 v1(62.25,29.32) 62.25,29.13 71.09,20.28 72.15,20.28 72.9,21.03 72.9,21.52 75.68,24.31 87.33,24.31 93.64,30.62 96.34,30.62 96.46,30.49 96.98,30.49 97.35,30.86 97.35,31.38 96.98,31.75 84.82,31.75 v1(84.28,32.29)
  Bottom w0.254: 61.44,26.75 62.49,26.75 U7.11 ; 61.44,26.75 61.94,26.25 U7.10 ; 61.44,26.75 61.07,27.12 v1(61.07,27.39) ; 81.82,32.3 81.34,32.78 79.43,32.78 79.2,33 U1.Y2 ; C22.2 61.99,29.32 v1(62.25,29.32) 62.84,29.32 ; v1(69.18,15.49) 68.4,14.71 TP2.1 ; v1(84.28,32.29) 83.33,31.34 82.41,31.34 81.92,31.83 C24.2 ; U7.6 64.18,24.55 v1(63.6,23.97) ; C18.2 85.18,31.29 85.56,31.29 86.85,30 86.85,28.12 88.3,28.12
VSS_PA: length 2.4
  Bottom w0.15: 73.62,36.5 74.14,36.5 ; 73.63,36.53 73.51,36.4 72.28,36.4 C14.1
VSS_PA_R: length 2.7
  Bottom w0.15: C39.1 205.79,34.85 204.35,34.85 U2.F23 203.71,34.75 203.7,34.75
/left/CS: length 76.9
  Bottom w0.15: 129.41,46.13 129.41,44.32 131.77,41.96 131.77,37.88 133.05,36.6 133.05,33.04 130.21,33.04 128.5,31.32 128.5,26.82 127.7,26.02 119.09,26.02 112.77,32.34 100.85,32.34 99.32,33.87 79.73,33.87 U1.U1
/left/D+: length 26.4
  Bottom w0.2: 78.11,31.76 78.14,31.73 78.14,28.87 76.8,27.53 76.8,25.7 78.88,23.62 84.93,23.62 86.72,21.82 86.72,15.39 86.7,15.37 J6.2 ; 86.03,21.2 86.6,21.77
/left/D-: length 26.3
  Bottom w0.2: 87.17,21.72 87.17,15.39 87.2,15.37 J6.3 ; 87.17,21.72 87.67,21.22 ; 87.17,21.72 87.17,22.01 85.12,24.07 79.07,24.07 77.25,25.88 77.25,27.35 78.59,28.69 78.59,31.73 78.61,31.76
/left/KEY1: length 63.7
  Bottom w0.15: 77.11,31.76 77.11,31.49 77.3,31.3 77.3,28.93 74.67,26.29 74.67,22.81 70.45,18.6 70.45,16.57 74.47,12.54 100.38,12.54 106.04,18.2 111.92,18.2 SW1.1
/left/KEY2: length 42.4
  Bottom w0.15: 98.71,43.67 98.71,49.4 95.22,52.89 79.57,52.89 76.52,49.84 76.52,39.18 77.11,38.59 77.11,38.26
/left/KEY3: length 42.7
  Top w0.15: 76.12,37.09 76.12,37.08 v3(76.14,37.08) 76.14,37.1 76.36,37.32 76.36,41.98 77.66,43.28 77.66,53.48 80.21,56.02 v3(80.21,56.17)
  Bottom w0.15: v3(80.21,56.17) 80.29,56.25 80.29,57.41 80.54,57.65 80.54,57.65 82.6,59.72 95.71,59.72 SW3.1 ; 76.12,37.09 76.36,37.33 76.36,37.76
/left/KEY4: length 61.5
  Top w0.15: 74.22,37.33 74.22,37.34 v3(74.21,37.34) 74.21,37.32 74.88,37.99 74.88,41.77 76.76,43.66 76.76,54.49 78.27,55.99 78.27,56 v3(78.43,56.17)
  Bottom w0.15: SW4.1 88.76,71.82 78.78,71.82 77.34,70.38 77.34,57.7 78.41,56.63 78.41,56.19 v3(78.43,56.17) ; 74.86,37.76 74.64,37.76 74.22,37.33
